# Allegro board 6089-103-RevB_76.brd (continued)
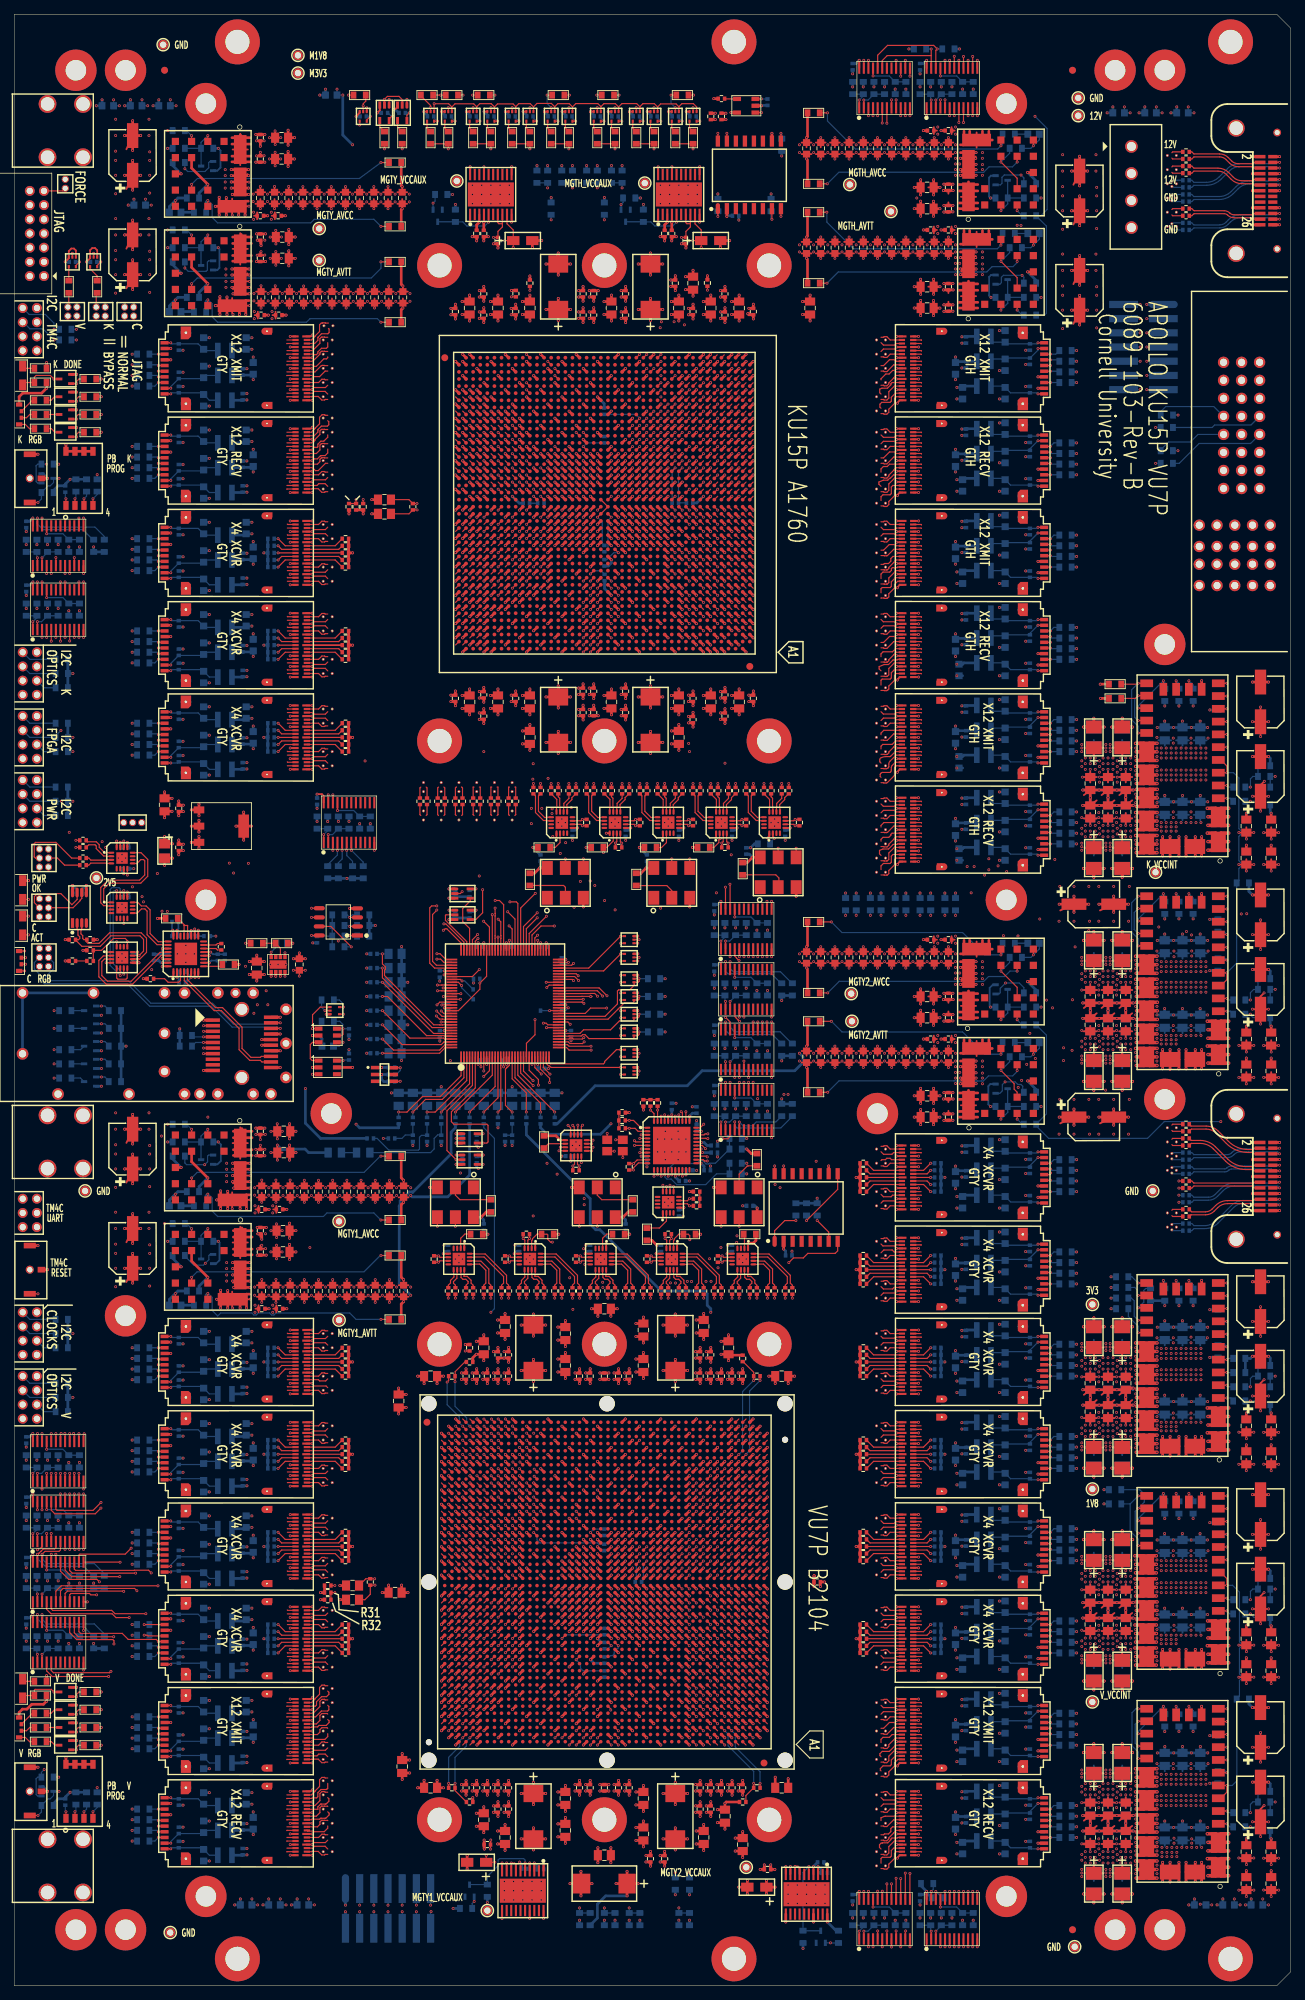
[diagram p0: board, top side]
## Nets (continued)
VCC_1V8: C83.1 C84.1 C86.1 C94.1 C95.1 C105.1 C106.1 C117.1 C120.1 C130.1 C131.1 C192.1 C193.1 C194.1 C195.1 C245.1 C262.1 C263.1 C276.1 C279.1 C290.1 C291.1 C292.1 C306.1 C307.1 C315.1 C316.1 C388.1 C400.1 C410.1 C420.1 C430.1 C486.1 C491.1 C506.1 C512.1 C522.1 C533.1 C543.1 C554.1 C564.1 C574.1 C668.1 C670.1 C672.1 C674.1 C676.1 C678.1 C680.1 C682.1 C684.1 C686.1 C688.1 C690.1 C692.1 C694.1 C709.1 C710.1 C711.1 C712.1 C713.1 C714.1 C715.1 C716.1 C717.1 C718.1 C719.1 C720.1 C721.1 C722.1 C729.1 C735.1 C746.1 C748.1 C753.1 C793.1 C796.1 C798.1 C800.1 C831.1 C833.1 C836.1 C837.1 C838.1 C839.1 C840.1 C841.1 C842.1 C843.1 C844.1 C845.1 C846.1 C859.1 C861.1 C863.1 C865.1 C867.1 C869.1 C871.1 C873.1 C875.1 C877.1 C879.1 C962.1 J18.2 J19.2 L1.1 L3.1 L6.1 L9.1 L12.1 L15.1 L18.1 L21.1 L24.1 L27.1 L30.1 L33.1 L36.1 L39.1 L42.1 L45.1 L48.1 L51.1 L54.1 L57.1 L60.1 L63.1 L66.1 L69.1 L72.1 L75.1 L78.1 PM8.1 R14.1 R21.1 R32.2 R68.2 R254.2 R259.2 R260.2 R263.2 R264.2 R267.2 R268.2 R271.2 R272.2 R275.2 R276.2 R279.2 R280.2 R283.2 R284.2 R287.2 R288.2 R291.2 R292.2 R295.2 R296.2 R299.2 R300.2 R303.2 R304.2 R307.2 R308.2 R311.2 R312.2 R406.1 R407.1 R409.1 R413.1 R417.1 R443.1 R450.1 R453.1 R459.1 R463.1 R464.1 R479.1 R484.1 R488.1 R514.1 R520.2 R525.2 R526.2 R528.2 R529.2 R536.2 R539.2 R601.2 R602.2 R605.2 R606.2 R609.2 R610.2 R613.2 R614.2 R617.2 R618.2 R621.2 R622.2 R625.2 R626.2 R629.2 R630.2 R633.2 R634.2 R637.2 R638.2 R641.2 R642.2 R658.1 R659.1 R666.1 R667.1 R676.2 R682.2 R688.2 R705.1 R713.1 U36.24(VCC) U45.1 U46.5(VCCB) U47.1 U48.5(VCCB) U65.AA28 U65.AB27 U65.AC28 U65.AD27 U65.AE28 U65.AF27 U65.AG28 U65.AH27 U65.AL17 U65.AN13 U65.AP21 U65.AP26 U65.AP31 U65.AR34 U65.AT17 U65.AU20 U65.AU25 U65.AU30 U65.AV13 U65.AV33 U65.AW16 U65.AW36 U65.AY19 U65.AY24 U65.AY29 U65.B15 U65.C18 U65.C28 U65.D31 U65.E14 U65.E24 U65.E34 U65.F17 U65.F27 U65.G30 U65.H13 U65.H23 U65.J16 U65.J26 U65.K19 U65.L22 U65.M15 U65.T27 U65.U28 U65.V27 U65.W28 U65.Y27 U66.A16 U66.A26 U66.A36 U66.AA26 U66.AA28 U66.AA30 U66.AB27 U66.AB29 U66.AB33 U66.AC26 U66.AC28 U66.AC30 U66.AD13 U66.AD27 U66.AD29 U66.AE28 U66.AE34 U66.AF13 U66.AF27 U66.AF29 U66.AF31 U66.AG26 U66.AG28 U66.AH27 U66.AJ26 U66.AJ32 U66.AK29 U66.AL16 U66.AL26 U66.AM13 U66.AM23 U66.AM33 U66.AN20 U66.AN30 U66.AP17 U66.AP27 U66.AR14 U66.AR24 U66.AR34 U66.AT21 U66.AT31 U66.AU18 U66.AU28 U66.AV15 U66.AV25 U66.AW22 U66.AW32 U66.AY19 U66.AY29 U66.B13 U66.B23 U66.B33 U66.BA16 U66.BA26 U66.BA36 U66.BB13 U66.BB23 U66.BB33 U66.BC10 U66.BC20 U66.BC30 U66.BC40 U66.BD7 U66.BD17 U66.BD27 U66.BD37 U66.BE14 U66.BE24 U66.BE34 U66.BF11 U66.BF21 U66.BF31 U66.C20 U66.C30 U66.C40 U66.D17 U66.D27 U66.D37 U66.E14 U66.E24 U66.E34 U66.F21 U66.F31 U66.G18 U66.G28 U66.G38 U66.H15 U66.H25 U66.H35 U66.J22 U66.J32 U66.K19 U66.K29 U66.L16 U66.L26 U66.M13 U66.M23 U66.M33 U66.N20 U66.N30 U66.P17 U66.P27 U66.R14 U66.R24 U66.R34 U66.T31 U66.U26 U66.U28 U66.V27 U66.V29 U66.W26 U66.W28 U66.W32 U66.Y27 U66.Y29 U81.21 U81.32 U81.39 U81.40 U95.2(VCC) U98.2(VCC) U124.25 U124.26
VCC_1V8_PG: R201.1 R202.2 R221.2 U52.29
VCC_1V8_PWR_EN: R219.1 U73.4(Y) U124.6
VCC_2V5: C11.1 C13.1 C964.1 C965.1 C966.1 C967.1 PM14.1 R12.1 R18.1 R19.2 R519.1 U10.7 U10.14 U10.16 U11.7 U11.14 U12.12(VCC) U12.16 U19.3
VCC_3V3: C10.1 C12.1 C111.1 C116.1 C229.1 C233.1 C387.1 C399.1 C409.1 C419.1 C429.1 C480.1 C485.1 C511.1 C521.1 C527.1 C532.1 C542.1 C553.1 C563.1 C573.1 C667.1 C669.1 C671.1 C673.1 C675.1 C677.1 C679.1 C681.1 C683.1 C685.1 C687.1 C689.1 C691.1 C693.1 C695.1 C696.1 C697.1 C698.1 C699.1 C700.1 C701.1 C702.1 C703.1 C704.1 C705.1 C706.1 C707.1 C708.1 C723.1 C724.1 C725.1 C726.1 C727.1 C728.1 C730.1 C733.1 C734.1 C736.1 C737.1 C738.1 C739.1 C740.1 C741.1 C742.1 C743.1 C744.1 C745.1 C749.1 C750.1 C751.1 C754.1 C756.1 C757.1 C759.1 C760.1 C763.1 C764.1 C767.1 C774.1 C776.1 C777.1 C780.1 C789.1 C805.1 C835.1 C847.1 C848.1 C849.1 C850.1 C851.1 C852.1 C853.1 C854.1 C855.1 C856.1 C857.1 C860.1 C862.1 C864.1 C866.1 C868.1 C870.1 C872.1 C874.1 C876.1 C878.1 C880.1 C881.1 C882.1 C883.1 C917.1 C918.1 C919.1 C955.1 C956.1 C959.1 C961.1 C963.1 C970.1 C972.1 C973.1 C974.1 C975.1 C976.1 C977.1 D1.3 D3.3 D5.2 L5.1 L7.1 L8.1 L10.1 L11.1 L13.1 L14.1 L16.1 L17.1 L19.1 L20.1 L22.1 L23.1 L25.1 L26.1 L28.1 L29.1 L31.1 L32.1 L34.1 L35.1 L37.1 L38.1 L40.1 L41.1 L43.1 L44.1 L46.1 L47.1 L49.1 L50.1 L52.1 L53.1 L55.1 L56.1 L58.1 L59.1 L61.1 L62.1 L64.1 L65.1 L67.1 L68.1 L70.1 L71.1 L73.1 L74.1 L76.1 L77.1 L79.1 PM17.1 R1.2 R2.1 R6.2 R7.1 R96.2 R103.2 R122.2 R124.2 R144.2 R149.2 R251.2 R257.2 R258.2 R261.2 R262.2 R265.2 R266.2 R269.2 R270.2 R273.2 R274.2 R277.2 R278.2 R281.2 R282.2 R285.2 R286.2 R289.2 R290.2 R293.2 R294.2 R297.2 R298.2 R301.2 R302.2 R305.2 R306.2 R309.2 R310.2 R339.2 R340.2 R341.2 R344.2 R345.2 R346.2 R347.2 R378.2 R380.2 R382.2 R383.2 R384.2 R385.2 R386.2 R388.2 R390.2 R391.2 R392.2 R395.2 R396.2 R397.2 R398.2 R401.2 R402.2 R403.2 R404.2 R408.1 R410.2 R411.2 R412.2 R414.2 R415.2 R416.2 R423.2 R424.2 R425.2 R426.2 R431.2 R432.2 R433.2 R434.2 R436.2 R438.2 R444.2 R445.2 R446.2 R447.2 R458.1 R492.1 R495.1 R499.1 R587.2 R588.2 R603.2 R604.2 R607.2 R608.2 R611.2 R612.2 R615.2 R616.2 R619.2 R620.2 R623.2 R624.2 R627.2 R628.2 R631.2 R632.2 R635.2 R636.2 R639.2 R640.2 R643.2 R644.2 R650.2 R651.2 R652.2 R655.2 R656.2 R657.2 R668.2 R669.2 R670.2 R671.2 R672.2 R673.2 R683.2 R684.2 R685.2 R686.2 R687.2 R689.2 R690.2 R691.2 R692.2 R693.2 R694.2 R695.2 R696.2 R697.2 R706.2 R707.2 R708.2 R709.2 R710.2 R711.2 R720.2 R721.2 R722.2 R723.2 R724.2 R725.2 U1.24(VCC) U2.24(VCC) U3.24(VCC) U4.24(VCC) U5.24(VCC) U6.24(VCC) U8.8(VCC) U13.15 U13.16 U14.1 U14.2 U14.10 U14.12 U14.18 U14.24 U14.31 U14.32 U19.1 U43.6(VDD) U44.5(VDD) U51.3 U51.4 U54.3 U54.4 U56.5(VDD) U58.5(VDD) U59.6(VDD) U61.5(VDD) U63.6(VDD) U64.5(VDD) U68.5(VDD) U79.5(VDD) U80.5(VDD) U81.8 U81.9 U81.18 U81.23 U81.26(VDDS) U81.29 U81.34 U82.6(VDD) U83.5(VDD) U85.3 U85.4 U87.5(VDD) U88.6(VDD) U89.5(VDD) U91.24(VCC) U92.24(VCC) U93.24(VCC) U94.24(VCC) U96.5(VDD) U97.6(VDD) U99.3 U99.4 U100.24(VCC) U101.24(VCC) U102.24(VCC) U103.24(VCC) U124.22 U124.23
VCC_3V3_1V8_SCL: R395.1 U91.5 U124.10
VCC_3V3_1V8_SDA: R398.1 U91.4 U124.11
VCC_3V3_PG: R203.2 R204.1 R222.2 U52.30
VCC_3V3_PWR_EN: R220.1 U72.4(Y) U124.5
VCC_12V: C5.1 C6.1 C7.1 C8.1 C15.1 C16.1 C17.1 C20.1 C21.1 C22.1 C23.1 C24.1 C25.1 C40.1 C41.1 C42.1 C43.1 C44.1 C45.1 C46.1 C47.1 C349.1 C350.1 C351.1 C352.1 C353.1 C354.1 C355.1 C356.1 C367.1 C368.1 C371.1 C372.1 C375.1 C376.1 C379.1 C380.1 C381.1 C382.1 C395.1 C398.1 C449.1 C450.1 C451.1 C452.1 C453.1 C454.1 C455.1 C456.1 C457.1 C458.1 C459.1 C460.1 C461.1 C462.1 C463.1 C464.1 C465.1 C466.1 C467.1 C468.1 C469.1 C470.1 C471.1 C472.1 C473.1 C474.1 C475.1 C476.1 C477.1 C478.1 J17.1 J17.2 P1.P1-1 P1.P1-2 P1.P1-3 P1.P1-4 P1.P1-5 P1.P1-6 P1.P1-7 P1.P1-8 P1.P1-9 P1.P1-10 PM13.1 R314.1 R317.1 R320.1 R323.1 R534.1 R590.1 R593.1 R596.1 R599.1 U15.1 U16.1 U17.1 U18.1 U31.1 U31.2 U118.1 U119.1 U120.1 U121.1 U122.1 U122.28 U123.1 U123.28 U124.1 U124.28 U125.1 U125.28 U126.1 U126.28
VCC_M1V8: C260.1 C272.1 C755.1 C758.1 C761.1 C762.1 C778.1 C781.1 C786.1 C794.1 C829.1 C968.1 C969.1 C971.1 PM16.1 R508.1 U7.5 U9.5 U33.5 U38.1 U40.1 U49.5 U50.5 U53.5 U55.5 U62.5 U67.5 U77.5 U78.5 U90.5(OUT)
VCC_M3V3: C52.1 C479.1 C548.1 C731.1 C732.1 C747.1 C752.1 C765.1 C766.1 C768.1 C769.1 C771.1 C772.1 C773.1 C783.1 C784.1 C787.1 C790.1 C792.1 C795.1 C799.1 C801.1 C803.1 C804.1 C807.1 C808.1 C809.1 C812.1 C824.1 C825.1 C826.1 C827.1 C828.1 C832.1 C858.1 C960.1 D2.3 D6.2 J1.2 J6.3 PM15.1 R28.1 R70.1 R82.1 R86.1 R94.1 R108.1 R115.1 R134.1 R194.1 R195.1 R198.1 R199.1 R202.1 R203.1 R206.1 R207.1 R210.1 R211.1 R315.1 R318.1 R321.1 R324.1 R509.1 R530.2 R531.2 R532.2 R533.1 R537.2 R538.2 R589.1 R592.1 R595.1 R598.1 R653.1 R654.1 R674.2 R675.2 U31.4 U31.5(VOUT#5) U32.5 U32.6(VDD) U33.6(VDD) U34.5 U35.8 U37.5 U38.5(VCCB) U39.4 U40.5(VCCB) U41.5 U42.5 U45.5(VCCB) U46.1 U47.5(VCCB) U48.1 U52.7 U52.8 U52.16 U52.26 U52.28 U52.39 U52.47 U52.63 U52.68 U52.69 U52.79 U52.90 U52.101 U52.113 U52.122 U57.5 U60.5 U69.5 U70.5 U71.5 U72.5 U73.5 U74.5 U75.5 U76.5 U84.5 U86.5 U90.1 U90.3
/CLK_SYNTH_INT: U81.33 U92.4
/CLK_SYNTH_LOL: U81.27 U92.5
/CLK_SYNTH_LOS: U81.28 U92.6
/CLK_SYNTH_OUT_EN: U81.12 U93.15
/CLK_SYNTH_RESET: U81.17 U93.16
/CLOCKING_RESET: U10.8 U93.17
/CLOCKS_I2C_RESET: J7.6 R694.1 U94.3
/FPGA_I2C_RESET: J4.6 R688.1 U36.3
/K_FF1_RECV_INT: R279.1 U102.5 U109.5
/K_FF1_RECV_PRESENT: R280.1 U102.14 U109.3
/K_FF1_XMIT_INT: R275.1 U102.4 U108.5
/K_FF1_XMIT_PRESENT: R276.1 U102.13 U108.3
/K_FF2_RECV_INT: R271.1 U102.7 U107.5
/K_FF2_RECV_PRESENT: R272.1 U102.16 U107.3
/K_FF2_XMIT_INT: R267.1 U102.6 U106.5
/K_FF2_XMIT_PRESENT: R268.1 U102.15 U106.3
/K_FF3_RECV_INT: R263.1 U102.9 U105.5
/K_FF3_RECV_PRESENT: R264.1 U102.18 U105.3
/K_FF3_XMIT_INT: R259.1 U102.8 U104.5
/K_FF3_XMIT_PRESENT: R260.1 U102.17 U104.3
/K_FF4_XCVR_INT: R618.1 U1.4 U24.5
/K_FF4_XCVR_PRESENT: R617.1 U1.8 U24.3
/K_FF5_XCVR_INT: R614.1 U1.5 U23.5
/K_FF5_XCVR_PRESENT: R613.1 U1.9 U23.3
/K_FF6_XCVR_INT: R610.1 U1.6 U22.5
/K_FF6_XCVR_PRESENT: R609.1 U1.10 U22.3
/K_FF7_RECV_INT: R606.1 U21.5 U102.11
/K_FF7_RECV_PRESENT: R605.1 U21.3 U102.20
/K_FF7_XMIT_INT: R602.1 U20.5 U102.10
/K_FF7_XMIT_PRESENT: R601.1 U20.3 U102.19
/K_FF_LEFT_RESET: U1.14 U20.6 U21.6 U22.6 U23.6 U24.6
/K_FF_RIGHT_RESET: U1.13 U104.6 U105.6 U106.6 U107.6 U108.6 U109.6
/K_FPGA_DONE: D4.1(CATHODE) Q1.3(S) R2.2 U52.78
/K_MGTH_AVCC_PWR_EN: Q9.3(S) R314.2 R333.1 U118.6
/K_MGTH_AVTT_PWR_EN: Q10.3(S) R317.2 R334.1 U119.6
/K_MGTH_VCCAUX_EN: Q14.3(S) R458.2 U85.5
/K_MGTY_AVCC_PWR_EN: Q17.3(S) R575.1 R590.2 U15.6
/K_MGTY_AVTT_PWR_EN: Q18.3(S) R576.1 R593.2 U16.6
/K_MGTY_VCCAUX_EN: Q16.3(S) R499.2 U51.5
/K_OPTICS_I2C_RESET: J3.6 R685.1 U2.3 U100.3
/PWR_I2C_RESET: J5.6 R691.1 U91.3
/V_FF1_XCVR_INT: R283.1 U103.4 U110.5
/V_FF1_XCVR_PRESENT: R284.1 U103.13 U110.3
/V_FF2_XCVR_INT: R287.1 U103.5 U111.5
/V_FF2_XCVR_PRESENT: R288.1 U103.14 U111.3
/V_FF3_XCVR_INT: R291.1 U103.6 U112.5
/V_FF3_XCVR_PRESENT: R292.1 U103.15 U112.3
/V_FF4_XCVR_INT: R295.1 U103.7 U113.5
/V_FF4_XCVR_PRESENT: R296.1 U103.16 U113.3
/V_FF5_XCVR_INT: R299.1 U103.8 U114.5
/V_FF5_XCVR_PRESENT: R300.1 U103.17 U114.3
/V_FF6_XCVR_INT: R303.1 U103.9 U115.5
/V_FF6_XCVR_PRESENT: R304.1 U103.18 U115.3
/V_FF7_XCVR_INT: R622.1 U5.4 U25.5
/V_FF7_XCVR_PRESENT: R621.1 U5.13 U25.3
/V_FF8_XCVR_INT: R626.1 U5.5 U26.5
/V_FF8_XCVR_PRESENT: R625.1 U5.14 U26.3
/V_FF9_XCVR_INT: R630.1 U5.6 U27.5
/V_FF9_XCVR_PRESENT: R629.1 U5.15 U27.3
/V_FF10_XCVR_INT: R634.1 U5.7 U28.5
/V_FF10_XCVR_PRESENT: R633.1 U5.16 U28.3
/V_FF11_RECV_INT: R311.1 U103.11 U117.5
/V_FF11_RECV_PRESENT: R312.1 U103.20 U117.3
/V_FF11_XMIT_INT: R307.1 U103.10 U116.5
/V_FF11_XMIT_PRESENT: R308.1 U103.19 U116.3
/V_FF12_RECV_INT: R642.1 U5.9 U30.5
/V_FF12_RECV_PRESENT: R641.1 U5.18 U30.3
/V_FF12_XMIT_INT: R638.1 U5.8 U29.5
/V_FF12_XMIT_PRESENT: R637.1 U5.17 U29.3
/V_FF_LEFT_RESET: U6.14 U25.6 U26.6 U27.6 U28.6 U29.6 U30.6
/V_FF_RIGHT_RESET: U6.13 U110.6 U111.6 U112.6 U113.6 U114.6 U115.6 U116.6 U117.6
/V_FPGA_DONE: D7.1(CATHODE) Q5.3(S) R7.2 U52.119
/V_MGTY1_AVCC_PWR_EN: Q19.3(S) R577.1 R596.2 U17.6
/V_MGTY1_AVTT_PWR_EN: Q20.3(S) R578.1 R599.2 U18.6
/V_MGTY1_VCCAUX_EN: Q15.3(S) R495.2 U54.5
/V_MGTY2_AVCC_PWR_EN: Q11.3(S) R320.2 R335.1 U120.6
/V_MGTY2_AVTT_PWR_EN: Q12.3(S) R323.2 R336.1 U121.6
/V_MGTY2_VCCAUX_EN: Q13.3(S) R408.2 U99.5
/V_OPTICS_I2C_RESET: J8.6 R697.1 U3.3 U4.3 U101.3
AC_NC2C0_K_TO_V: C127.2 U66.BC46
AC_NC2C0_V_TO_K: C101.2 U65.D42
AC_NC2C1_K_TO_V: C140.2 U66.BA46
AC_NC2C1_V_TO_K: C109.2 U65.C40
AC_NC2C2_K_TO_V: C92.2 U66.AW46
AC_NC2C2_V_TO_K: C96.2 U65.B42
AC_NHIGH_PERF_CLK_IN: C503.2 R138.2 U80.7
AC_NK_CLK0_CHAN0: C305.2 U65.AG11
AC_NK_CLK0_CHAN1: C300.2 U65.AA11
AC_NK_CLK0_CHAN2: C293.2 U65.R11
AC_NK_CLK0_CHAN4: C171.2 U65.AD33
AC_NK_CLK0_CHAN5: C161.2 U65.V33
AC_NK_CLK0_CHAN6: C155.2 U65.P33
AC_NK_CLK1_CHAN0: C281.2 U65.AF9
AC_NK_CLK1_CHAN1: C264.2 U65.Y9
AC_NK_CLK1_CHAN2: C249.2 U65.P9
AC_NK_CLK1_CHAN4: C204.2 U65.AC31
AC_NK_CLK1_CHAN5: C191.2 U65.U31
AC_NK_CLK1_CHAN6: C181.2 U65.N31
AC_NK_TTC_CLK40: J9.4 U65.J23
AC_NK_TTC_IN: C497.2 U65.AY1 VA142.2
AC_NK_TTS_OUT: C440.1 P2.24
AC_NK_UTIL_CLK_CHAN0: C235.2 U65.AL11
AC_NK_UTIL_CLK_CHAN1: C227.2 U65.M33
AC_NK_UTIL_CLK_CHAN2: C215.2 U65.G21
AC_NLEGACY_CLK: C2.2 R129.2 U81.44
AC_NLHC_CLK_IN: C446.2 R120.2 U81.2
AC_NMGT_K_TO_Z_1: C495.1 P2.11
AC_NMGT_K_TO_Z_2: C438.1 P2.12
AC_NMGT_V_TO_Z_1: C501.1 P3.11
AC_NMGT_V_TO_Z_2: C444.1 P3.12
AC_NMGT_Z_TO_K_1: C493.2 U65.BA3 VA139.2
AC_NMGT_Z_TO_K_2: C436.2 U65.BB5
AC_NMGT_Z_TO_V_1: C499.2 U66.BA1 VA145.2
AC_NMGT_Z_TO_V_2: C442.2 U66.BC1
AC_NV_CLK0_CHAN0: C289.2 U66.AT10
AC_NV_CLK0_CHAN1: C298.2 U66.AH10
AC_NV_CLK0_CHAN2: C304.2 U66.T10
AC_NV_CLK0_CHAN3: C310.2 U66.H10
AC_NV_CLK0_CHAN4: C102.2 U66.AV39
AC_NV_CLK0_CHAN5: C110.2 U66.AL37
AC_NV_CLK0_CHAN6: C128.2 U66.AC37
AC_NV_CLK0_CHAN7: C141.2 U66.R37
AC_NV_CLK1_CHAN0: C232.2 U66.AP10
AC_NV_CLK1_CHAN1: C244.2 U66.AF10
AC_NV_CLK1_CHAN2: C257.2 U66.P10
AC_NV_CLK1_CHAN3: C273.2 U66.F10
AC_NV_CLK1_CHAN4: C151.2 U66.AU37
AC_NV_CLK1_CHAN5: C160.2 U66.AJ37
AC_NV_CLK1_CHAN6: C166.2 U66.AA37
AC_NV_CLK1_CHAN7: C174.2 U66.N37
AC_NV_TTC_CLK40: J9.6 U66.AN33
AC_NV_TTC_IN: C505.2 U66.AV1 VA148.2
AC_NV_TTS_OUT: C448.1 P3.24
AC_NV_UTIL_CLK_CHAN0: C190.2 U66.AW8
AC_NV_UTIL_CLK_CHAN1: C201.2 U66.BA41
AC_NV_UTIL_CLK_CHAN2: C214.2 U66.BB35
AC_NV_UTIL_CLK_CHAN3: C225.2 U66.H28
AC_PC2C0_K_TO_V: C132.2 U66.BC45
AC_PC2C0_V_TO_K: C103.2 U65.D41
AC_PC2C1_K_TO_V: C148.2 U66.BA45
AC_PC2C1_V_TO_K: C115.2 U65.C39
AC_PC2C2_K_TO_V: C93.2 U66.AW45
AC_PC2C2_V_TO_K: C97.2 U65.B41
AC_PHIGH_PERF_CLK_IN: C502.2 R139.1 U80.6
AC_PK_CLK0_CHAN0: C309.2 U65.AG12
AC_PK_CLK0_CHAN1: C303.2 U65.AA12
AC_PK_CLK0_CHAN2: C297.2 U65.R12
AC_PK_CLK0_CHAN4: C173.2 U65.AD32
AC_PK_CLK0_CHAN5: C165.2 U65.V32
AC_PK_CLK0_CHAN6: C159.2 U65.P32
AC_PK_CLK1_CHAN0: C286.2 U65.AF10
AC_PK_CLK1_CHAN1: C270.2 U65.Y10
AC_PK_CLK1_CHAN2: C252.2 U65.P10
AC_PK_CLK1_CHAN4: C211.2 U65.AC30
AC_PK_CLK1_CHAN5: C200.2 U65.U30
AC_PK_CLK1_CHAN6: C189.2 U65.N30
AC_PK_TTC_CLK40: J9.1 U65.K23
AC_PK_TTC_IN: C496.2 U65.AY2 VA142.1
AC_PK_TTS_OUT: C439.1 P2.22
AC_PK_UTIL_CLK_CHAN0: C242.2 U65.AL12
AC_PK_UTIL_CLK_CHAN1: C230.2 U65.M32
AC_PK_UTIL_CLK_CHAN2: C222.2 U65.G22
AC_PLEGACY_CLK: C1.2 R131.1 U81.43
AC_PLHC_CLK_IN: C445.2 R119.1 U81.1
AC_PMGT_K_TO_Z_1: C494.1 P2.9
AC_PMGT_K_TO_Z_2: C437.1 P2.10
AC_PMGT_V_TO_Z_1: C500.1 P3.9
AC_PMGT_V_TO_Z_2: C443.1 P3.10
AC_PMGT_Z_TO_K_1: C492.2 U65.BA4 VA139.1
AC_PMGT_Z_TO_K_2: C435.2 U65.BB6
AC_PMGT_Z_TO_V_1: C498.2 U66.BA2 VA145.1
AC_PMGT_Z_TO_V_2: C441.2 U66.BC2
AC_PV_CLK0_CHAN0: C283.2 U66.AT11
AC_PV_CLK0_CHAN1: C294.2 U66.AH11
AC_PV_CLK0_CHAN2: C301.2 U66.T11
AC_PV_CLK0_CHAN3: C308.2 U66.H11
AC_PV_CLK0_CHAN4: C98.2 U66.AV38
AC_PV_CLK0_CHAN5: C104.2 U66.AL36
AC_PV_CLK0_CHAN6: C121.2 U66.AC36
AC_PV_CLK0_CHAN7: C137.2 U66.R36
AC_PV_CLK1_CHAN0: C228.2 U66.AP11
AC_PV_CLK1_CHAN1: C241.2 U66.AF11
AC_PV_CLK1_CHAN2: C251.2 U66.P11
AC_PV_CLK1_CHAN3: C269.2 U66.F11
AC_PV_CLK1_CHAN4: C149.2 U66.AU36
AC_PV_CLK1_CHAN5: C158.2 U66.AJ36
AC_PV_CLK1_CHAN6: C162.2 U66.AA36
AC_PV_CLK1_CHAN7: C172.2 U66.N36
AC_PV_TTC_CLK40: J9.3 U66.AN32
AC_PV_TTC_IN: C504.2 U66.AV2 VA148.1
AC_PV_TTS_OUT: C447.1 P3.22
AC_PV_UTIL_CLK_CHAN0: C182.2 U66.AW9
AC_PV_UTIL_CLK_CHAN1: C197.2 U66.BA40
AC_PV_UTIL_CLK_CHAN2: C210.2 U66.BA35
AC_PV_UTIL_CLK_CHAN3: C217.2 U66.H27
BC_NC2C0_K_TO_V: C127.1 U65.K37
BC_NC2C0_V_TO_K: C101.1 U66.BF43
BC_NC2C1_K_TO_V: C140.1 U65.K33
BC_NC2C1_V_TO_K: C109.1 U66.BD43
BC_NC2C2_K_TO_V: C92.1 U65.J35
BC_NC2C2_V_TO_K: C96.1 U66.BB43
BC_NHIGH_QUAL_CLK_IN: C503.1 P3.17
BC_NK_CLK0_CHAN0: C305.1 U96.10
BC_NK_CLK0_CHAN1: C300.1 U96.12
BC_NK_CLK0_CHAN2: C293.1 U96.14
BC_NK_CLK0_CHAN4: C171.1 U58.10
BC_NK_CLK0_CHAN5: C161.1 U58.12
BC_NK_CLK0_CHAN6: C155.1 U58.14
BC_NK_CLK1_CHAN0: C281.1 U87.10
BC_NK_CLK1_CHAN1: C264.1 U87.12
BC_NK_CLK1_CHAN2: C249.1 U87.14
BC_NK_CLK1_CHAN4: C204.1 U68.10
BC_NK_CLK1_CHAN5: C191.1 U68.12
BC_NK_CLK1_CHAN6: C181.1 U68.14
BC_NK_TTC_IN: C497.1 P2.23
BC_NK_TTS_OUT: C440.2 U65.AU7
BC_NK_UTIL_CLK_CHAN0: C235.1 U79.10
BC_NK_UTIL_CLK_CHAN1: C227.1 U79.12
BC_NK_UTIL_CLK_CHAN2: C215.1 U79.14
BC_NLEGACY_CLK: C2.1 U10.2
BC_NLHC_CLK_IN: C446.1 P3.18
BC_NMGT_K_TO_Z_1: C495.2 U65.AV9 VA140.2
BC_NMGT_K_TO_Z_2: C438.2 U65.AW7
BC_NMGT_V_TO_Z_1: C501.2 U66.BD4 VA146.2
BC_NMGT_V_TO_Z_2: C444.2 U66.BF4
BC_NMGT_Z_TO_K_1: C493.1 P2.5
BC_NMGT_Z_TO_K_2: C436.1 P2.6
BC_NMGT_Z_TO_V_1: C499.1 P3.5
BC_NMGT_Z_TO_V_2: C442.1 P3.6
BC_NTTC_CLK40A: C4.1 U10.4
BC_NV_CLK0_CHAN0: C289.1 U89.10
BC_NV_CLK0_CHAN1: C298.1 U89.12
BC_NV_CLK0_CHAN2: C304.1 U89.14
BC_NV_CLK0_CHAN3: C310.1 U89.16
BC_NV_CLK0_CHAN4: C102.1 U44.10
BC_NV_CLK0_CHAN5: C110.1 U44.12
BC_NV_CLK0_CHAN6: C128.1 U44.14
BC_NV_CLK0_CHAN7: C141.1 U44.16
BC_NV_CLK1_CHAN0: C232.1 U83.10
BC_NV_CLK1_CHAN1: C244.1 U83.12
BC_NV_CLK1_CHAN2: C257.1 U83.14
BC_NV_CLK1_CHAN3: C273.1 U83.16
BC_NV_CLK1_CHAN4: C151.1 U56.10
BC_NV_CLK1_CHAN5: C160.1 U56.12
BC_NV_CLK1_CHAN6: C166.1 U56.14
BC_NV_CLK1_CHAN7: C174.1 U56.16
BC_NV_TTC_IN: C505.1 P3.23
BC_NV_TTS_OUT: C448.2 U66.AV6
BC_NV_UTIL_CLK_CHAN0: C190.1 U64.10
BC_NV_UTIL_CLK_CHAN1: C201.1 U64.12
BC_NV_UTIL_CLK_CHAN2: C214.1 U64.14
BC_NV_UTIL_CLK_CHAN3: C225.1 U64.16
BC_PC2C0_K_TO_V: C132.1 U65.K36
BC_PC2C0_V_TO_K: C103.1 U66.BF42
BC_PC2C1_K_TO_V: C148.1 U65.K32
BC_PC2C1_V_TO_K: C115.1 U66.BD42
BC_PC2C2_K_TO_V: C93.1 U65.J34
BC_PC2C2_V_TO_K: C97.1 U66.BB42
BC_PHIGH_QUAL_CLK_IN: C502.1 P3.15
BC_PK_CLK0_CHAN0: C309.1 U96.9
BC_PK_CLK0_CHAN1: C303.1 U96.11
BC_PK_CLK0_CHAN2: C297.1 U96.13
BC_PK_CLK0_CHAN4: C173.1 U58.9
BC_PK_CLK0_CHAN5: C165.1 U58.11
BC_PK_CLK0_CHAN6: C159.1 U58.13
BC_PK_CLK1_CHAN0: C286.1 U87.9
BC_PK_CLK1_CHAN1: C270.1 U87.11
BC_PK_CLK1_CHAN2: C252.1 U87.13
BC_PK_CLK1_CHAN4: C211.1 U68.9
BC_PK_CLK1_CHAN5: C200.1 U68.11
BC_PK_CLK1_CHAN6: C189.1 U68.13
BC_PK_TTC_IN: C496.1 P2.21
BC_PK_TTS_OUT: C439.2 U65.AU8
BC_PK_UTIL_CLK_CHAN0: C242.1 U79.9
BC_PK_UTIL_CLK_CHAN1: C230.1 U79.11
BC_PK_UTIL_CLK_CHAN2: C222.1 U79.13
BC_PLEGACY_CLK: C1.1 U10.1
BC_PLHC_CLK_IN: C445.1 P3.16
BC_PMGT_K_TO_Z_1: C494.2 U65.AV10 VA140.1
BC_PMGT_K_TO_Z_2: C437.2 U65.AW8
BC_PMGT_V_TO_Z_1: C500.2 U66.BD5 VA146.1
BC_PMGT_V_TO_Z_2: C443.2 U66.BF5
BC_PMGT_Z_TO_K_1: C492.1 P2.3
BC_PMGT_Z_TO_K_2: C435.1 P2.4
BC_PMGT_Z_TO_V_1: C498.1 P3.3
BC_PMGT_Z_TO_V_2: C441.1 P3.4
BC_PTTC_CLK40A: C3.1 U10.3
BC_PV_CLK0_CHAN0: C283.1 U89.9
BC_PV_CLK0_CHAN1: C294.1 U89.11
BC_PV_CLK0_CHAN2: C301.1 U89.13
BC_PV_CLK0_CHAN3: C308.1 U89.15
BC_PV_CLK0_CHAN4: C98.1 U44.9
BC_PV_CLK0_CHAN5: C104.1 U44.11
BC_PV_CLK0_CHAN6: C121.1 U44.13
BC_PV_CLK0_CHAN7: C137.1 U44.15
BC_PV_CLK1_CHAN0: C228.1 U83.9
BC_PV_CLK1_CHAN1: C241.1 U83.11
BC_PV_CLK1_CHAN2: C251.1 U83.13
BC_PV_CLK1_CHAN3: C269.1 U83.15
BC_PV_CLK1_CHAN4: C149.1 U56.9
BC_PV_CLK1_CHAN5: C158.1 U56.11
BC_PV_CLK1_CHAN6: C162.1 U56.13
BC_PV_CLK1_CHAN7: C172.1 U56.15
BC_PV_TTC_IN: C504.1 P3.21
BC_PV_TTS_OUT: C447.2 U66.AV7
BC_PV_UTIL_CLK_CHAN0: C182.1 U64.9
BC_PV_UTIL_CLK_CHAN1: C197.1 U64.11
BC_PV_UTIL_CLK_CHAN2: C210.1 U64.13
BC_PV_UTIL_CLK_CHAN3: C217.1 U64.15
BLADE_IPMC_RX: R727.2 U52.34
BLADE_IPMC_TX: R726.2 U52.33
BLADE_JTAG_TCK: P1.18 R134.2 U62.2 U77.2 U84.2
BLADE_JTAG_TDI: P1.19 R86.2 U42.2
BLADE_JTAG_TDO: P1.3 R81.2
BLADE_JTAG_TMS: P1.2 R108.2 U49.2 U53.2 U57.2
BLADE_MASTER_I2C_SCL: J2.1 P1.22 R674.1
BLADE_MASTER_I2C_SDA: J2.3 P1.6 R675.1
BLADE_POWER_EN: P1.17 R537.1 U34.2
BLADE_POWER_OK: P1.1 Q21.1 R645.1 U52.62
BLADE_ZYNQ_GPIO0: P1.7 U52.71
BLADE_ZYNQ_GPIO1: P1.23 U52.72
BLADE_ZYNQ_GPIO2: P1.8 U52.73
BLADE_ZYNQ_RX: R729.2 U52.96
BLADE_ZYNQ_TX: R728.2 U52.95
C_TCK_3V3: R133.2 R136.2 U52.100
C_TDI: J15.2 U52.98
C_TDO: J15.4 U52.97
C_TMS_3V3: R107.2 R109.2 U52.99
CLK_SYNTH_I2C_SCK: R416.1 U81.14 U94.5
CLK_SYNTH_I2C_SDA: R412.1 U81.13 U94.4
CLK_SYNTH_INPUT_SEL0: U81.3 U93.13
CLK_SYNTH_INPUT_SEL1: U81.37 U93.14
CLOCKS_I2C_SCL: J7.2 U94.22
CLOCKS_I2C_SDA: J7.4 U94.23
CONN_JTAG_TCK: J1.6 R115.2 U67.2 U78.2 U86.2
CONN_JTAG_TDI: J1.10 R82.2 U41.2
CONN_JTAG_TDO: J1.8 R72.2
CONN_JTAG_TMS: J1.4 R94.2 U50.2 U55.2 U60.2
CTRL_K_MGTH_AVCC_PWR_EN: Q9.1 R313.2 U52.86
CTRL_K_MGTH_AVTT_PWR_EN: Q10.1 R316.2 U52.103
CTRL_K_MGTH_VCCAUX_EN: Q14.1 R460.2 U52.84
CTRL_K_MGTY_AVCC_PWR_EN: Q17.1 R591.2 U52.85
CTRL_K_MGTY_AVTT_PWR_EN: Q18.1 R594.2 U52.102
CTRL_K_MGTY_VCCAUX_EN: Q16.1 R501.2 U52.83
CTRL_K_VCCINT_PWR_EN: R454.2 U52.44 U71.1 U71.2
CTRL_V_MGTY1_AVCC_PWR_EN: Q19.1 R597.2 U52.110
CTRL_V_MGTY1_AVTT_PWR_EN: Q20.1 R600.2 U52.108
CTRL_V_MGTY1_VCCAUX_EN: Q15.1 R498.2 U52.112
CTRL_V_MGTY2_AVCC_PWR_EN: Q11.1 R319.2 U52.109
CTRL_V_MGTY2_AVTT_PWR_EN: Q12.1 R322.2 U52.107
CTRL_V_MGTY2_VCCAUX_EN: Q13.1 R405.2 U52.111
CTRL_V_VCCINT_PWR_EN: R457.2 U52.37 U74.1 U74.2
CTRL_VCC_1V8_PWR_EN: R456.2 U52.38 U73.1 U73.2
CTRL_VCC_3V3_PWR_EN: R455.2 U52.43 U72.1 U72.2
FPGA_I2C_SCL: J4.2 U36.22
FPGA_I2C_SDA: J4.4 U36.23
ID_EEPROM_WP: J16.3 U52.106
K_CONFIG_BIT_M2: R676.1 SW4.1 U65.AL14
K_DIP_SW_1: R666.2 SW4.2 U65.AV32
K_DIP_SW_2: R658.2 SW4.3 U65.AU32
K_FF1_RECV_I2C_SCL: R277.1 U100.7 U109.8
K_FF1_RECV_I2C_SDA: R278.1 U100.6 U109.7
K_FF1_XMIT_I2C_SCL: R273.1 U100.5 U108.8
K_FF1_XMIT_I2C_SDA: R274.1 U100.4 U108.7
K_FF2_RECV_I2C_SCL: R269.1 U100.11 U107.8
K_FF2_RECV_I2C_SDA: R270.1 U100.10 U107.7
K_FF2_XMIT_I2C_SCL: R265.1 U100.9 U106.8
K_FF2_XMIT_I2C_SDA: R266.1 U100.8 U106.7
K_FF3_RECV_I2C_SCL: R261.1 U100.16 U105.8
K_FF3_RECV_I2C_SDA: R262.1 U100.15 U105.7
K_FF3_XMIT_I2C_SCL: R257.1 U100.14 U104.8
K_FF3_XMIT_I2C_SDA: R258.1 U100.13 U104.7
K_FF4_XCVR_I2C_SCL: R620.1 U2.5 U24.8
K_FF4_XCVR_I2C_SDA: R619.1 U2.4 U24.7
K_FF5_XCVR_I2C_SCL: R616.1 U2.7 U23.8
K_FF5_XCVR_I2C_SDA: R615.1 U2.6 U23.7
K_FF6_XCVR_I2C_SCL: R612.1 U2.9 U22.8
K_FF6_XCVR_I2C_SDA: R611.1 U2.8 U22.7
K_FF7_RECV_I2C_SCL: R608.1 U2.14 U21.8
K_FF7_RECV_I2C_SDA: R607.1 U2.13 U21.7
K_FF7_XMIT_I2C_SCL: R604.1 U2.11 U20.8
K_FF7_XMIT_I2C_SDA: R603.1 U2.10 U20.7
K_FPGA_DONE: Q1.1 R14.2 U65.AN16
K_FPGA_I2C_SCL: R529.1 U36.5 U65.AL24
K_FPGA_I2C_SDA: R536.1 U36.4 U65.AL25
K_FPGA_PROGRAM: Q26.1 R704.2 U52.81
K_GTH_SEL_SYNTH: R140.1 U87.2 U93.6
K_GTY_SEL_SYNTH: R114.1 U68.2 U93.7
K_LED_BLUE: Q2.1 R15.2 U65.BA29
K_LED_GREEN: Q3.1 R16.2 U65.AY28
K_LED_RED: Q4.1 R17.2 U65.AW28
K_MGTH_AVCC: C206.1 C209.1 C234.1 C238.1 C240.1 C248.1 C311.1 C317.1 C321.1 C325.1 C329.1 C333.1 C337.1 C341.1 C345.1 C357.1 C361.1 C365.1 C366.1 PM11.1 R153.2 R511.1 U65.AA10 U65.AB12 U65.AC10 U65.AG10 U65.AH12 U65.AJ10 U65.AK12 U65.AL10 U65.AN10 U65.AR10 U65.AU10 U65.E10 U65.G10 U65.J10 U65.L10 U65.M12 U65.N10 U65.P12 U65.R10 U65.V12 U65.W10 U65.Y12 U118.3
K_MGTH_AVCC_OK: R315.2 U52.75 U118.9
K_MGTH_AVTT: C277.1 C278.1 C287.1 C288.1 C295.1 C296.1 C312.1 C318.1 C322.1 C326.1 C330.1 C334.1 C338.1 C342.1 C346.1 C358.1 C362.1 C369.1 C370.1 PM12.1 R155.2 R448.2 R510.1 U65.AA6 U65.AB8 U65.AC6 U65.AD8 U65.AE6 U65.AF8 U65.AG6 U65.AH8 U65.AJ6 U65.AK8 U65.AL6 U65.AM8 U65.AN6 U65.AP8 U65.AR6 U65.AT8 U65.AU6 U65.AV8 U65.D8 U65.E6 U65.F8 U65.G6 U65.H8 U65.J6 U65.K8 U65.L6 U65.M8 U65.N6 U65.P8 U65.R6 U65.T8 U65.U6 U65.V8 U65.W6 U65.Y8 U119.3
K_MGTH_AVTT_OK: R318.2 U52.74 U119.9
K_MGTH_VCCAUX: C243.1 C246.1 C247.1 C261.1 PM10.1 R512.1 U65.AD12 U65.AE10 U65.T12 U65.U10 U85.7(SENSE) U85.8 U85.9
